# Altium PCB Gesturelink V1.PcbDoc (part 4 of 9) (continued)
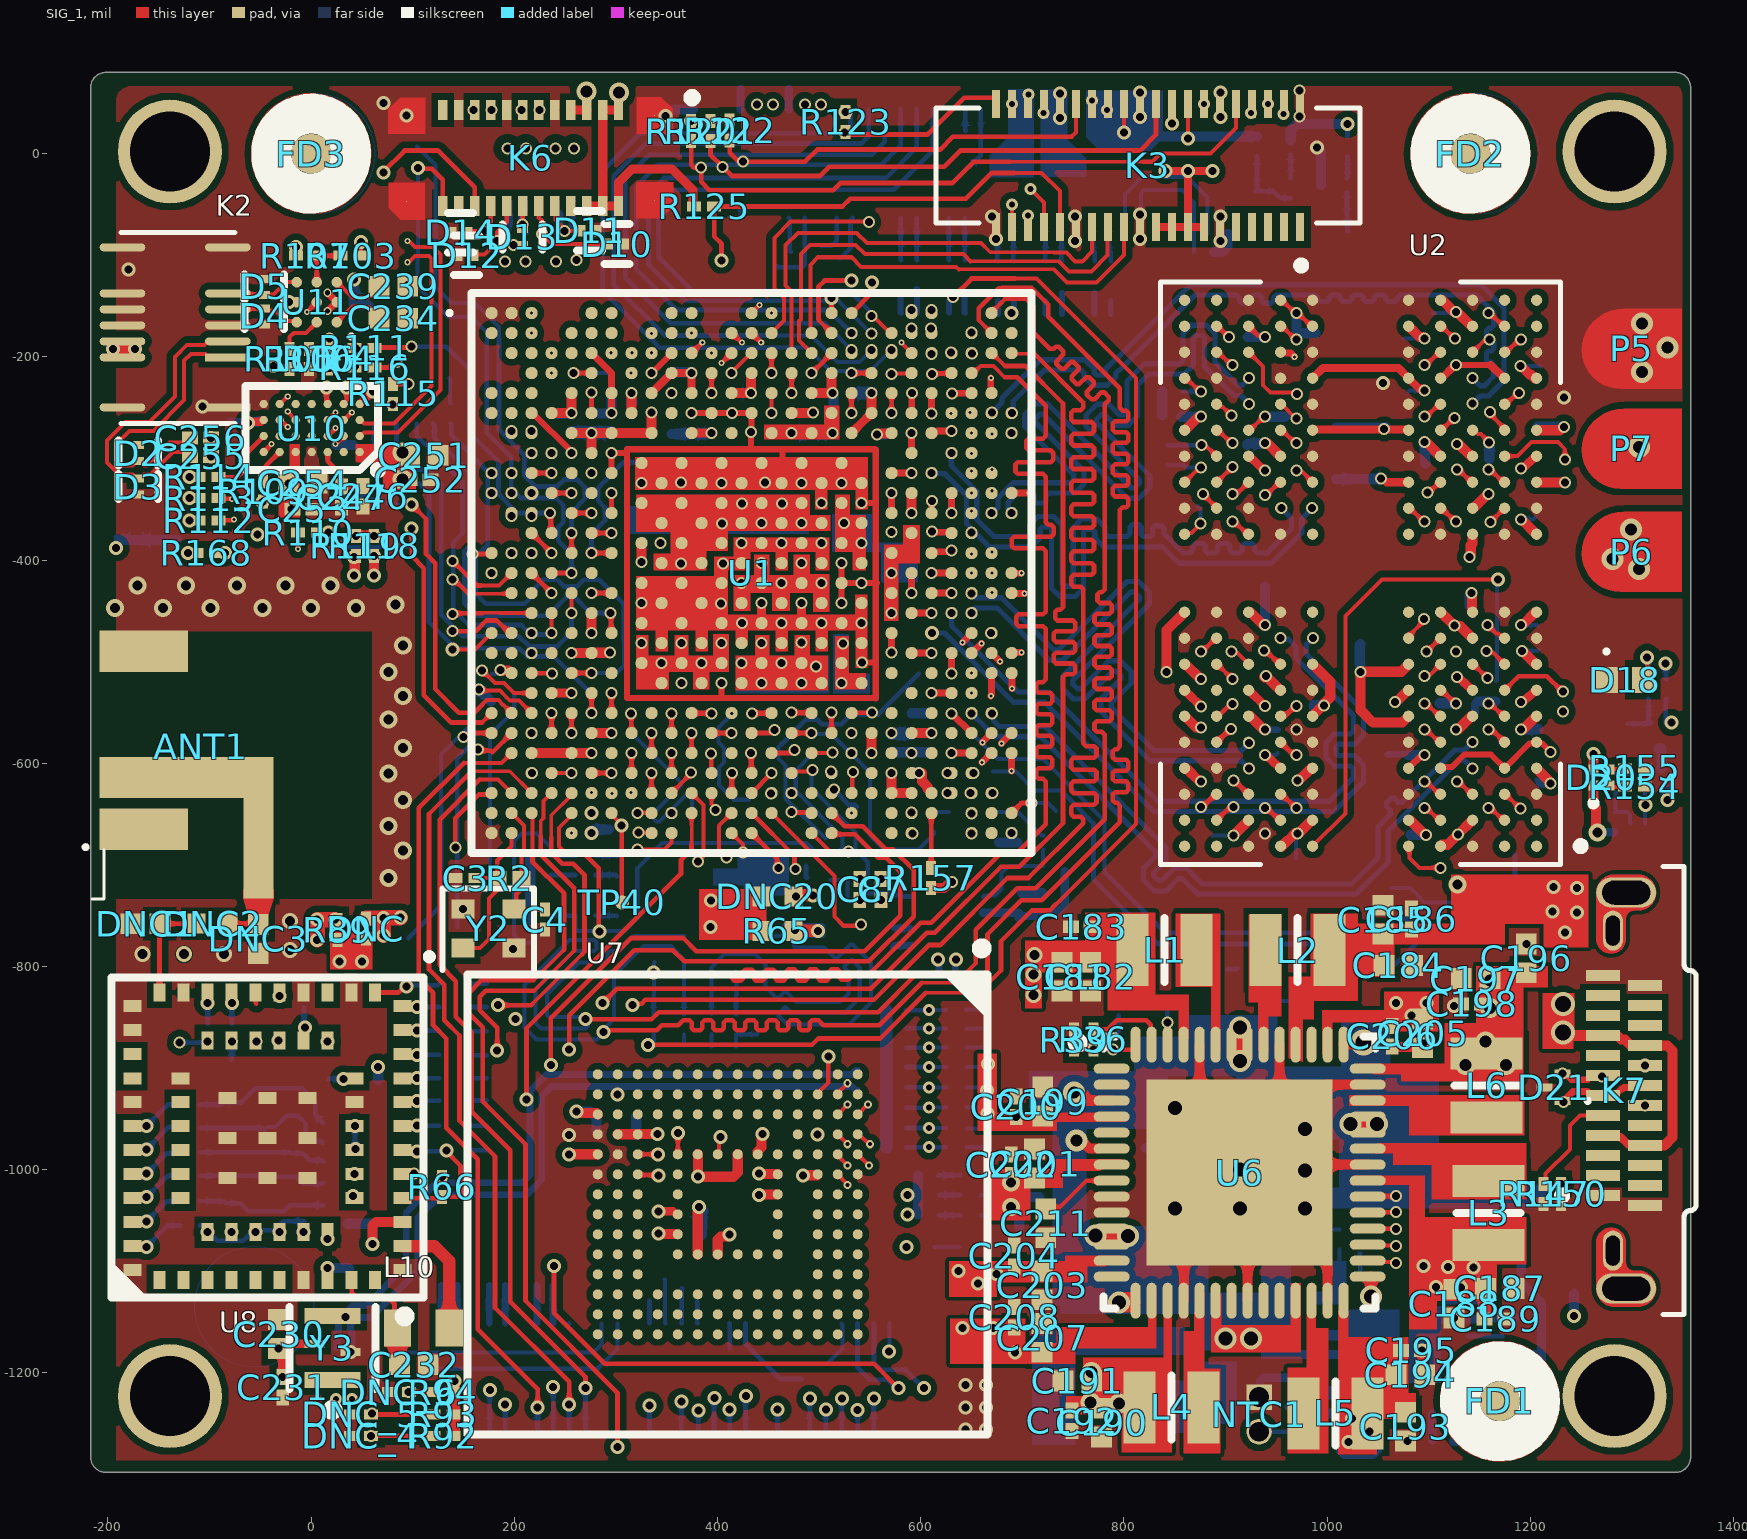
[diagram p0: SIG_1 view]
## Nets (pads, with @x,y where several pads share a name; then routed paths per layer and width w, separated by ;. In a path a pad name is that pad's centre, name@x,y a point inside that pad or via, vN(x,y) a via of type N, cw(c..) or ccw(c..) an arc to the next point about the centre after c; other vN are vias at no path point) (continued)
  other v3: 650,-294.99
DDR_DQ6_A: U1.W26 U2.C4 | length 897.3
  SIG_1 w3.94: v5(1096,-617.99) 1097.61,-617.99 1110.13,-630.51 U2.C4@1111.74,-630.51
  SIG_1 w6.69: v4(669,-533.99) 669,-533.43 669.69,-532.74 U1.W26@669.69,-511.26
  HI_SPEED_SIG_1 w3.71: v4(669,-533.99) 682.25,-533.99 710,-561.74 713,-564.74 713,-622.55 716.54,-626.09 723.08,-632.63 723.08,-643.58 716.5,-650.16 716.5,-662.49 803.41,-749.4 805.26,-751.26 808.57,-751.26 810.92,-748.91 810.92,-746.8 813.26,-744.46 820.28,-744.46 822.62,-746.8 822.62,-764.42 824.96,-766.77 831.99,-766.77 834.33,-764.42 834.33,-758 836.67,-755.66 843.7,-755.66 846.04,-758 846.04,-764.42 848.38,-766.77 855.4,-766.77 857.74,-764.42 857.74,-757.56 860.09,-755.22 867.11,-755.22 869.45,-757.56 869.45,-764.42 871.79,-766.77 878.82,-766.77 881.16,-764.42 881.16,-757.56 883.5,-755.22 890.52,-755.22 892.86,-757.56 892.86,-764.42 895.21,-766.77 902.23,-766.77 904.57,-764.42 904.57,-757.56 906.91,-755.22 913.94,-755.22 916.28,-757.56 916.28,-764.42 918.62,-766.77 925.64,-766.77 927.99,-764.42 927.99,-757.56 930.33,-755.22 937.35,-755.22 939.69,-757.56 939.69,-764.42 942.03,-766.77 949.06,-766.77 951.4,-764.42 951.4,-757.56 953.74,-755.22 960.77,-755.22 963.11,-757.56 963.11,-764.42 965.45,-766.77 972.47,-766.77 974.81,-764.42 974.81,-757.56 977.16,-755.22 984.18,-755.22 986.52,-757.56 986.52,-764.42 988.86,-766.77 995.89,-766.77 998.23,-764.42 998.23,-757.56 1000.57,-755.22 1007.59,-755.22 1009.93,-757.56 1009.93,-764.42 1012.28,-766.77 1019.3,-766.77 1021.64,-764.42 1021.64,-763.33 1023.98,-760.99 1027,-760.99 1029.85,-758.14 1076,-711.99 1075.87,-711.86 1075.87,-664.63 1076,-664.51 1076,-626.99 1085,-617.99 v5(1096,-617.99)
  other v3: 669,-533.99
DDR_DQ6_B: U1.G26 U2.Y4 | length 867.7
  SIG_1 w3.94: v5(1096,-207.99) 1097.61,-207.99 1110.13,-195.47 U2.Y4@1111.74,-195.47
  HI_SPEED_SIG_1 w3.71: v4(670,-275.99) 678.34,-267.65 678.34,-269.45 677.62,-270.17 677.62,-279.91 684.51,-286.8 694.25,-286.8 701.14,-279.91 701.14,-270.17 698.83,-267.86 698.83,-264.35 705.09,-258.08 710,-253.17 710,-176.99 784,-102.99 809.9,-102.99 811.76,-102.99 814.1,-100.65 814.1,-100.54 816.44,-98.2 823.46,-98.2 825.8,-100.54 825.8,-109.42 828.15,-111.77 835.17,-111.77 837.51,-109.42 837.51,-100.54 839.85,-98.2 846.88,-98.2 849.22,-100.54 849.22,-109.42 851.56,-111.77 858.58,-111.77 860.93,-109.42 860.93,-100.54 863.27,-98.2 870.29,-98.2 872.63,-100.54 872.63,-109.42 874.97,-111.77 882,-111.77 884.34,-109.42 884.34,-100.54 886.68,-98.2 893.7,-98.2 896.05,-100.54 896.05,-109.42 898.39,-111.77 905.41,-111.77 907.75,-109.42 907.75,-100.54 910.09,-98.2 917.12,-98.2 919.46,-100.54 919.46,-109.42 921.8,-111.77 928.83,-111.77 931.17,-109.42 931.17,-100.54 933.51,-98.2 940.53,-98.2 942.87,-100.54 942.87,-107.31 945.22,-109.65 952.24,-109.65 954.58,-107.31 954.58,-105.33 956.92,-102.99 1008,-102.99 1010.55,-105.54 1011.86,-106.85 1015.17,-106.85 1022.17,-99.85 1025.48,-99.85 1030.45,-104.82 1030.45,-108.13 1020.71,-117.87 1020.71,-121.18 1025.68,-126.14 1028.99,-126.14 1040.86,-114.28 1044.17,-114.28 1049.14,-119.24 1049.14,-122.56 1040.01,-131.69 1040.01,-135 1054.47,-149.46 ; 1054.5,-149.49 1062,-156.99 1094,-156.99 1110.22,-173.21 1110.22,-193.77 v5(1096,-207.99)
  other v3: 670,-275.99
DDR_DQ7_A: U1.Y25 U2.B4 | length 891
  SIG_1 w3.94: v5(1096.01,-643.99) 1097.82,-643.99 1109.93,-656.1 U2.B4@1111.74,-656.1
  HI_SPEED_SIG_1 w3.71: 656,-566.99 679,-566.99 699.23,-587.22 699.23,-660.22
  HI_SPEED_SIG_1 w3.75: 617.25,-558.72 625.52,-566.99 656,-566.99 ; 617.25,-542.74 629,-530.99 v3(650,-530.99) ; 699.23,-660.22 813,-773.99 1040.67,-773.99 1043.32,-773.99 1046.07,-771.24 1046.07,-767.35 1044.13,-765.41 1044.13,-761.53 1049.97,-755.69 1053.85,-755.69 1073.07,-774.91 1076.96,-774.91 1082.79,-769.07 1082.79,-765.19 1065.21,-747.61 1065.21,-743.72 1071.04,-737.89 1074.93,-737.89 1088.11,-751.07 1092,-751.07 1097.83,-745.23 1097.83,-741.34 1089.68,-733.2 1089.68,-729.31 1095.51,-723.49 1095.88,-723.11 ; 1096.01,-723.24 1096.01,-718.89 1084,-706.88 1084,-668 1084.13,-667.87 1084.13,-665.12 1096.01,-653.24 v5(1096.01,-643.99)
  HI_SPEED_SIG_1 w4.63: 617.25,-558.72 617.25,-542.74
  other v4: 650,-530.99
DDR_DQ7_B: U1.G25 U2.AA4 | length 922.2
  SIG_1 w3.94: U2.AA4@1111.74,-169.88 1112.81,-169.88 1124.93,-181.99 v5(1126,-181.99)
  HI_SPEED_SIG_1 w3.71: v4(650,-274.99) 659,-265.99 659,-249.41 665.73,-242.68 686.31,-242.68 700,-228.99 700,-170.99 780,-90.99 1041,-90.99 1064,-90.99 1069,-95.99 1080.56,-95.99 1082.73,-98.16 1082.73,-143.46 1084.67,-145.4 1090.5,-145.4 1092.44,-143.46 1092.44,-88.14 1094.38,-86.2 1100.2,-86.2 1102.14,-88.14 1102.14,-139 1104.08,-140.94 1109.91,-140.94 1111.85,-139 1111.85,-98.16 1114.02,-95.99 1129,-95.99 1139.88,-106.87 1141,-107.99 1141,-176.99 1136,-181.99 v5(1126,-181.99)
  other v3: 650,-274.99
DDR_DQ8_A: U1.R27 U2.B11 | length 875.9
  SIG_1 w4.58: U2.B11@891.27,-656.1 902.98,-644.39 906.62,-644.39 v5(908,-643)
  SIG_1 w6.69: U1.R27@689.61,-432.76 689.85,-432.99 v3(702,-432.99)
  HI_SPEED_SIG_1 w3.71: v3(702,-432.99) 769,-432.99 775,-438.99 776.31,-440.3 779.38,-440.3 794.74,-424.95 797.48,-424.95 801.6,-429.07 801.6,-431.81 782.65,-450.76 782.65,-453.51 786.77,-457.63 789.51,-457.63 816.27,-430.87 819.01,-430.87 823.13,-434.99 823.13,-437.74 793.1,-467.77 793.1,-470.51 797.22,-474.63 799.97,-474.63 829.99,-444.6 832.74,-444.6 836.86,-448.72 836.86,-451.47 811.13,-477.19 811.13,-479.93 815.25,-484.05 818,-484.05 842.83,-459.22 845.58,-459.22 849.69,-463.34 849.69,-466.09 827.43,-488.35 827.43,-491.42 829.96,-493.95 832,-495.99 837.1,-495.99 857.5,-475.6 870.29,-475.6 873,-472.88 873,-459.99 876,-456.99 882.29,-456.99 885,-459.7 885,-469.28 887.71,-471.99 900.24,-471.99 902.95,-469.28 902.95,-459.69 905.95,-456.69 912.24,-456.69 914.95,-459.4 914.95,-471.69 922,-478.74 922,-497.99 916,-503.99 863.93,-503.99 860.57,-507.35 857,-510.92 857,-568.93 864.9,-576.83 894.13,-606.06 894.13,-613.84 894.13,-621.82 902.52,-630.21 904.51,-630.21 908,-633.7 v5(908,-643)
  other v4: 702,-432.99
DDR_DQ8_B: U1.J26 U2.AA11 | length 904.6
  SIG_1 w3.94: U2.AA11@891.27,-169.88 892.09,-169.88 902.83,-180.62 v5(903.65,-180.62)
  HI_SPEED_SIG_1 w3.71: v3(670,-310.99) 684.42,-310.99 687,-308.42 703.2,-308.42 705.83,-305.79 729.21,-305.79 732.97,-302.03 734.28,-300.72 734.28,-297.65 729.29,-292.66 729.29,-289.92 733.41,-285.8 736.16,-285.8 747.71,-297.35 750.45,-297.35 754.57,-293.23 754.57,-290.49 751.07,-286.99 751.07,-283.92 753.38,-281.61 755,-279.99 755,-262.84 755,-260.99 752.83,-258.82 742.17,-258.82 740.23,-256.88 740.23,-251.05 742.17,-249.11 775.99,-249.11 777.94,-247.17 777.94,-241.35 775.99,-239.41 742.17,-239.41 740.23,-237.46 740.23,-231.64 742.17,-229.7 772.11,-229.7 774.05,-227.76 774.05,-221.93 772.11,-219.99 757.17,-219.99 755,-217.82 755,-206.77 755,-205.99 756.81,-204.18 758.62,-202.37 759.93,-201.06 759.93,-197.99 747.95,-186.01 747.95,-183.26 752.07,-179.14 754.81,-179.14 777.51,-201.84 780.25,-201.84 784.37,-197.72 784.37,-194.97 761.68,-172.28 761.68,-169.53 765.8,-165.42 768.54,-165.42 791.48,-188.36 794.23,-188.36 798.35,-184.24 798.35,-181.49 775.41,-158.55 775.41,-155.81 779.52,-151.69 782.27,-151.69 807.15,-176.57 809.9,-176.57 814.01,-172.45 814.01,-169.71 789.13,-144.82 789.13,-142.08 793.25,-137.96 796,-137.96 807.98,-149.94 811.05,-149.94 812.6,-148.39 814,-146.99 825.56,-146.99 827.73,-149.16 827.73,-163.53 829.67,-165.48 835.5,-165.48 837.44,-163.53 837.44,-137.16 839.38,-135.22 845.2,-135.22 847.14,-137.16 847.14,-158.84 849.08,-160.79 854.91,-160.79 856.85,-158.84 856.85,-139.33 858.79,-137.39 864.61,-137.39 866.56,-139.33 866.56,-145.55 872.92,-151.91 876,-154.99 876,-183.74 878.71,-186.45 882.54,-186.45 888.37,-180.62 v5(903.65,-180.62)
  other v4: 670,-310.99
DDR_DQ9_A: U1.R26 U2.C11 | length 902.7
  SIG_1 w4.58: v5(876,-642.99) 877.39,-642.99 U2.C11@889.87,-630.51
  HI_SPEED_SIG_1 w3.71: v4(670,-431.99) 665,-431.99 661,-435.99 661,-443.28 663.71,-445.99 676,-445.99 679,-442.99 679,-424.99 681.5,-422.49 ; 681.59,-422.59 689.09,-422.59 691.69,-425.18 691.69,-442.68 695,-445.99 733.66,-445.99 751,-445.99 751.27,-446.27 754.35,-446.27 758.88,-441.73 761.91,-441.73 766.45,-446.28 766.45,-449.3 756.99,-458.76 756.99,-461.79 761.53,-466.33 764.56,-466.33 773.41,-457.49 776.44,-457.49 780.98,-462.03 780.98,-465.06 772.13,-473.9 772.13,-476.93 776.68,-481.48 779.7,-481.48 781.56,-479.62 784.63,-479.62 785.94,-480.93 791.5,-486.49 807.5,-486.49 824,-502.99 824,-505.25 824,-516.48 821.83,-518.65 809.15,-518.65 807.21,-520.59 807.21,-526.42 809.15,-528.36 846.02,-528.36 847.96,-530.3 847.96,-536.13 846.02,-538.07 795.09,-538.07 793.15,-540.01 793.15,-545.83 795.09,-547.77 846.02,-547.77 847.96,-549.72 847.96,-555.54 846.02,-557.48 795.09,-557.48 793.15,-559.42 793.15,-565.25 795.09,-567.19 821.83,-567.19 824,-569.36 824,-571.21 824,-576.31 835.68,-587.99 846.16,-587.99 852.16,-581.99 857,-581.99 860.58,-585.58 860.58,-589.41 852,-597.99 841,-597.99 832,-606.99 832,-611.99 836,-615.99 840,-615.99 849,-606.99 858.29,-606.99 861,-609.7 861,-613.99 851,-623.99 851,-632.99 857,-638.99 862,-638.99 870,-630.99 882.5,-630.99 890,-638.49 890,-645.99 898,-653.99 898,-659.99 890.42,-667.58 886.58,-667.58 876,-656.99 v5(876,-642.99)
  other v3: 670,-431.99
DDR_DQ9_B: U1.K25 U2.Y11 | length 911.4
  SIG_1 w3.94: U2.Y11@891.27,-195.47 892.88,-195.47 905.4,-207.99 v5(907.02,-207.99)
  HI_SPEED_SIG_1 w3.71: v3(650,-333.99) 649.94,-333.99 642.94,-340.99 633,-340.99 628,-335.99 628,-328.99 634.5,-322.49 687.39,-322.49 694.26,-315.62 718.31,-315.62 720.94,-312.99 745,-312.99 749,-308.99 766.51,-291.48 766.51,-270.48 784.03,-252.97 792.2,-244.79 795.27,-244.79 811.17,-260.69 813.91,-260.69 818.03,-256.57 818.03,-253.82 779.61,-215.4 779.61,-212.66 783.73,-208.54 786.47,-208.54 821.11,-243.17 823.85,-243.17 827.97,-239.05 827.97,-236.31 793.58,-201.92 793.58,-199.18 797.7,-195.06 800.45,-195.06 840.35,-234.97 843.1,-234.97 847.21,-230.85 847.21,-228.1 809.25,-190.14 809.25,-187.39 813.37,-183.28 816.11,-183.28 833.38,-200.54 836.45,-200.54 840.43,-196.57 841,-195.99 841,-173.99 847,-167.99 859.54,-167.99 862.26,-170.7 862.26,-199 859.27,-201.99 850.31,-201.99 848,-204.3 848,-212.69 850.31,-214.99 861,-214.99 864,-217.99 864,-222.69 861.69,-224.99 860,-224.99 856,-228.99 856,-243.99 859,-246.99 887,-246.99 892,-241.99 892,-199.7 894.71,-196.99 904.3,-196.99 905.64,-198.33 905.64,-206.62 v5(907.02,-207.99)
  other v4: 650,-333.99
DDR_DQ10_A: U1.P27 U2.E11 | length 874.4
  SIG_1 w4.58: U2.E11@891.27,-579.33 891.86,-579.33 904.85,-566.34 v5(905.45,-566.34)
  SIG_1 w4.63: U2.E11@891.27,-579.33 904.26,-566.34 v5@904.85,-566.34
  SIG_1 w6.69: U1.P27@689.38,-412.83 689.54,-412.99 v3(699,-412.99)
  HI_SPEED_SIG_1 w3.71: v3(699,-412.99) 699.26,-413.25 729.14,-413.25 730.99,-413.25 733.16,-411.08 733.16,-405.16 735.1,-403.22 740.93,-403.22 742.87,-405.16 742.87,-423.84 744.81,-425.79 750.63,-425.79 752.57,-423.84 752.57,-405.16 754.52,-403.22 760.34,-403.22 762.28,-405.16 762.28,-411.08 764.45,-413.25 774.37,-413.25 816.71,-413.25 851.63,-448.17 883.82,-448.17 884,-447.99 967,-447.99 968.85,-447.99 971.03,-445.82 971.03,-445.16 972.97,-443.22 978.79,-443.22 980.73,-445.16 980.73,-454.34 982.67,-456.29 988.5,-456.29 990.44,-454.34 990.44,-450.16 992.61,-447.99 1014.86,-447.99 1015.17,-447.99 1021,-453.82 1021,-461.99 1021,-465.1 1018.83,-467.28 1000.7,-467.28 998.76,-469.22 998.76,-475.04 1000.7,-476.98 1019.06,-476.98 1021,-478.92 1021,-484.75 1019.06,-486.69 996.29,-486.69 994.35,-488.63 994.35,-494.45 996.29,-496.39 1018.83,-496.39 1021,-498.56 1021,-500.42 1021,-504.66 1018,-507.66 1018,-511.99 1015,-514.99 1009,-514.99 999.81,-514.99 997.64,-512.82 997.64,-505.75 995.69,-503.81 989.87,-503.81 987.93,-505.75 987.93,-519.32 985.99,-521.26 980.16,-521.26 978.22,-519.32 978.22,-491.18 976.28,-489.24 970.46,-489.24 968.51,-491.18 968.51,-512.82 966.34,-514.99 964.49,-514.99 964,-514.99 950.78,-501.77 932.52,-501.77 924.78,-509.52 924.78,-517.21 919.5,-522.49 912.74,-529.25 900.06,-529.25 892.67,-536.64 891,-538.31 891,-550.98 905.45,-565.42 v5(905.45,-566.34)
  other v4: 699,-412.99
DDR_DQ10_B: U1.K26 U2.V11 | length 906.4
  SIG_1 w3.94: U2.V11@891.27,-246.65 893.19,-246.65 896.17,-249.64 897.65,-249.64 v5(906,-257.99)
  HI_SPEED_SIG_1 w3.71: v3(670,-331.83) 670.26,-332.09 693.9,-332.09 703.16,-322.83 728.02,-322.83 729.86,-320.99 759.1,-320.99 761.66,-318.43 762.98,-317.12 762.98,-314.04 759.93,-311 759.93,-308.25 764.05,-304.14 766.79,-304.14 774.18,-311.52 776.92,-311.52 781.04,-307.4 781.04,-304.65 773.61,-297.23 773.61,-294.48 777.73,-290.36 780.48,-290.36 789.17,-299.06 791.92,-299.06 796.04,-294.94 796.04,-292.2 787.99,-284.15 787.99,-281.4 792.11,-277.28 794.85,-277.28 797.3,-279.73 800.37,-279.73 805.3,-274.8 807.97,-272.12 815.63,-272.12 ; 955.2,-254.79 961.29,-248.7 994.71,-248.7 997,-250.99 ; 956.71,-217.7 963.15,-224.14 987.15,-224.14 ; 1011,-233.99 1019,-241.99 1019,-263.89 1016.83,-266.06 1012.07,-266.06
  HI_SPEED_SIG_1 w3.75: 815.63,-272.12 822.56,-272.12 824.43,-272.12 826.63,-269.92 826.63,-250.61 828.58,-248.66 834.43,-248.66 836.38,-250.61 836.38,-270.69 838.33,-272.64 844.17,-272.64 846.12,-270.69 846.12,-255.48 848.07,-253.53 853.92,-253.53 855.87,-255.48 855.87,-269.92 858.06,-272.12 861,-272.12 881.57,-272.12 ; 870.55,-272.21 881.48,-272.21 881.57,-272.12 ; 891.87,-272.12 881.57,-272.12 ; 892,-271.99 951,-271.99 955.2,-267.79 955.2,-254.79 ; v5(906,-257.99) 906,-243.99 916,-233.99 933,-233.99 939,-227.99 939,-212.99 916.87,-190.86 916.87,-178.83 916.73,-178.69 916.73,-152.9 918.92,-150.7 954.52,-150.7 956.71,-152.9 956.71,-217.7 ; 987.15,-224.14 997,-233.99 1011,-233.99 ; 997,-250.99 1012.07,-266.06
  other v4: 670,-331.83
DDR_DQ11_A: U1.P26 U2.F11 | length 878.2
  SIG_1 w4.58: U2.F11@891.27,-553.74 892.77,-553.74 893.01,-553.74 905.24,-541.51 v5(907.02,-541.51)
  SIG_1 w4.63: U2.F11@892.77,-553.74 893,-553.74 905.23,-541.51 v5(907.02,-541.51)
  HI_SPEED_SIG_1 w3.71: 1064,-526.99 1078,-512.99 1078,-498.54 1078,-496.69 1075.66,-494.35 1041.72,-494.35 1039.38,-492.01 1039.38,-484.98 1041.72,-482.64 1084.96,-482.64 1087.3,-480.3 1087.3,-473.28 1084.96,-470.93 1047.13,-470.93 1044.79,-468.59 1044.79,-461.57 1047.13,-459.23 1075.66,-459.23 1078,-456.89 1078,-452.99 1078,-443.99 1075.71,-441.7
  HI_SPEED_SIG_1 w3.75: v4(670,-412.99) 682,-412.99 699,-395.99 815.49,-395.99 855.49,-435.99 1070,-435.99 1075.71,-441.7 ; v5(907.02,-541.51) 908.56,-539.97 918.53,-539.97 930,-528.49 1062.5,-528.49 1064,-526.99
  other v3: 670,-412.99
DDR_DQ11_B: U1.K27 U2.U11 | length 876.2
  SIG_1 w3.94: U2.U11@891.27,-272.24 892.77,-272.24 905.52,-284.99 v5(907.02,-284.99)
  SIG_1 w6.69: U1.K27@689.38,-334.09 706.9,-334.09 v4(707,-333.99)
  HI_SPEED_SIG_1 w3.71: v4(707,-333.99) 728.27,-333.99 730.44,-331.82 730.44,-330.6 732.38,-328.66 738.21,-328.66 740.15,-330.6 740.15,-332.51 742.09,-334.45 747.91,-334.45 749.85,-332.51 749.85,-330.6 751.79,-328.66 757.62,-328.66 759.56,-330.6 759.56,-332.51 761.5,-334.45 767.33,-334.45 769.27,-332.51 769.27,-322.99 771.21,-321.04 777.03,-321.04 778.97,-322.99 778.97,-332.51 780.92,-334.45 786.74,-334.45 788.68,-332.51 788.68,-309.58 790.62,-307.64 796.45,-307.64 798.39,-309.58 798.39,-332.51 800.33,-334.45 806.15,-334.45 808.1,-332.51 808.1,-284.78 810.04,-282.84 815.86,-282.84 817.8,-284.78 817.8,-332.51 819.74,-334.45 825.57,-334.45 827.51,-332.51 827.51,-281.73 829.45,-279.79 835.28,-279.79 837.22,-281.73 837.22,-332.51 839.16,-334.45 844.98,-334.45 846.92,-332.51 846.92,-297.17 848.86,-295.23 854.69,-295.23 856.63,-297.17 856.63,-329.95 858.8,-332.12 861.87,-332.12 867.62,-326.37 872,-321.99 882,-321.99 892,-331.99 892,-338.69 894,-340.69 894,-340.99 896.39,-343.38 900.26,-347.25 924.33,-347.25 928,-350.92 928,-356.99 931,-359.99 948.63,-359.99 949.89,-361.25 960.05,-361.25 967.23,-354.07 967.23,-353.94 968.19,-352.98 968.19,-332.95 965.23,-329.99 960,-329.99 956,-325.99 956,-305.99 948.22,-298.21 929.78,-298.21 922,-305.99 922,-317.99 918.22,-321.77 900.84,-321.77 890,-310.93 890,-290.99 896,-284.99 v5(907.02,-284.99)
  other v3: 707,-333.99
DDR_DQ12_A: U1.V26 U2.F9 | length 903.2
  SIG_1 w3.94: U2.F9@954.26,-553.74 955.62,-552.38 959.61,-552.38
  SIG_1 w4.58: 959.61,-552.38 968.26,-543.73 v5(970,-543.73)
  SIG_1 w6.69: U1.V26@669.69,-491.57 669.69,-491.68 v4(678,-499.99)
  HI_SPEED_SIG_1 w3.71: v4(678,-499.99) 682,-503.99 ; 750.5,-620.49 759.41,-629.4 760.72,-630.71 764.03,-630.71 767.1,-627.64 770.41,-627.64 775.38,-632.61 775.38,-635.92 769.13,-642.16 769.13,-645.47 774.1,-650.44 777.41,-650.44 783.65,-644.2 786.97,-644.2 791.93,-649.17 791.93,-652.48 785.69,-658.72 785.69,-662.03 790.66,-667 793.97,-667 800.21,-660.76 803.52,-660.76 808.49,-665.72 808.49,-669.03 802.25,-675.28 802.25,-678.59 807.21,-683.55 810.52,-683.55 814.83,-679.25 818.14,-679.25 823.11,-684.21 823.11,-687.52 820.32,-690.31 820.32,-693.62 825.29,-698.59 828.6,-698.59 830.26,-696.93 833.57,-696.93 838.53,-701.9 838.53,-705.21 838.53,-708.52 853.11,-723.1 ; v5@970,-541.99 990.69,-562.68 1000.69,-562.68 1001.92,-563.91 1003.23,-565.22 1006.3,-565.22 1027.02,-544.5 1029.77,-544.5 1033.89,-548.62 1033.89,-551.36 1011.28,-573.97 1011.28,-576.71 1015.4,-580.83 1018.15,-580.83 1033.46,-565.51 1036.21,-565.51 1040.33,-569.63 1040.33,-572.37 1026.89,-585.81 1026.89,-588.88 1030,-591.99 1030,-596.46 1030,-698.99 1003,-725.99 998,-725.99
  HI_SPEED_SIG_1 w3.75: 682,-503.99 699,-503.99 743,-547.99 743,-612.99 750.5,-620.49 ; 853.11,-723.1 856,-725.99 998,-725.99
  other v3: 678,-499.99
DDR_DQ12_B: U1.L25 U2.U9 | length 940.6
  SIG_1 w3.94: U2.U9@954.26,-272.24 955.76,-272.24 968.51,-284.99 v5(970.01,-284.99)
  HI_SPEED_SIG_1 w3.71: v4(650,-351.68) 659.54,-342.14 697.15,-342.14 704,-348.99 712,-348.99 713.85,-348.99 716.03,-346.82 716.03,-343.14 717.97,-341.2 723.79,-341.2 725.73,-343.14 725.73,-350.97 727.67,-352.91 733.5,-352.91 735.44,-350.97 735.44,-343.6 737.38,-341.66 743.21,-341.66 745.15,-343.6 745.15,-350.97 747.09,-352.91 752.91,-352.91 754.85,-350.97 754.85,-343.6 756.79,-341.66 762.62,-341.66 764.56,-343.6 764.56,-350.97 766.5,-352.91 772.33,-352.91 774.27,-350.97 774.27,-343.6 776.21,-341.66 782.03,-341.66 783.97,-343.6 783.97,-350.97 785.92,-352.91 791.74,-352.91 793.68,-350.97 793.68,-343.6 795.62,-341.66 801.45,-341.66 803.39,-343.6 803.39,-350.97 805.33,-352.91 811.15,-352.91 813.1,-350.97 813.1,-343.6 815.04,-341.66 820.86,-341.66 822.8,-343.6 822.8,-350.97 824.74,-352.91 830.57,-352.91 832.51,-350.97 832.51,-344.26 834.45,-342.32 840.28,-342.32 842.22,-344.26 842.22,-360.07 844.16,-362.02 849.98,-362.02 851.92,-360.07 853.86,-358.13 859.69,-358.13 861.63,-360.07 861.63,-372.6 870.66,-381.63 871.02,-381.99 882,-381.99 883.85,-381.99 886.03,-379.82 886.03,-377.86 887.97,-375.92 893.79,-375.92 895.73,-377.86 895.73,-389.31 897.67,-391.25 903.5,-391.25 905.44,-389.31 905.44,-379.69 907.38,-377.75 913.21,-377.75 915.15,-379.69 915.15,-387.66 917.09,-389.6 922.91,-389.6 924.85,-387.66 924.85,-369.14 926.79,-367.2 932.62,-367.2 934.56,-369.14 934.56,-384.44 936.5,-386.39 942.33,-386.39 944.27,-384.44 944.27,-371.36 946.21,-369.42 952.03,-369.42 953.97,-371.36 953.97,-379.82 956.15,-381.99 964.62,-381.99 984.27,-381.99 988,-378.26 988,-373.7 990.71,-370.99 995.29,-370.99 998,-373.7 998,-376.99 1003.01,-381.99 1008.29,-381.99 1011,-379.28 1011,-372.99 998,-359.99 998,-357.56 998,-346 1000.17,-343.83 1012.85,-343.83 1014.79,-341.89 1014.79,-336.07 1012.85,-334.12 981.8,-334.12 979.86,-332.18 979.86,-326.36 981.8,-324.42 1012.85,-324.42 1014.79,-322.48 1014.79,-316.65 1012.85,-314.71 987.7,-314.71 985.76,-312.77 985.76,-306.94 987.7,-305 1012.85,-305 1014.79,-303.06 1014.79,-297.24 1012.85,-295.3 1000.17,-295.3 998,-293.12 998,-286.92 998,-283.99 989,-274.99 972.72,-274.99 971.38,-276.33 971.38,-283.62 v5(970.01,-284.99)
  other v3: 650,-351.68
DDR_DQ13_A: U1.V27 U2.E9 | length 904.3
  SIG_1 w4.58: U2.E9@954.26,-579.33 965.54,-590.61 968.62,-590.61 v5(970,-591.99)
  SIG_1 w6.69: U1.V27@689.38,-491.57 689.96,-490.99 v4(699,-490.99)
  HI_SPEED_SIG_1 w3.71: v4(699,-490.99) 707,-490.99 ; 996,-714.99 1008,-702.99
  HI_SPEED_SIG_1 w3.75: v5(970,-591.99) 979.01,-582.98 985.99,-582.98 989.35,-586.34 990.67,-587.66 993.77,-587.66 999.86,-581.58 1002.61,-581.58 1006.75,-585.72 1006.75,-588.47 1000.67,-594.55 1000.67,-597.66 1007.19,-604.18 1008,-604.99 1008,-618.99 1008,-620.87 1010.19,-623.06 1017.54,-623.06 1019.49,-625.01 1019.49,-630.86 1017.54,-632.81 1003.52,-632.81 1001.58,-634.76 1001.58,-640.61 1003.52,-642.55 1017.54,-642.55 1019.49,-644.5 1019.49,-650.35 1017.54,-652.3 1003.52,-652.3 1001.58,-654.25 1001.58,-660.1 1003.52,-662.05 1017.54,-662.05 1019.49,-664 1019.49,-669.85 1017.54,-671.8 1003.52,-671.8 1001.58,-673.75 1001.58,-679.59 1003.52,-681.54 1016.39,-681.54 1018.34,-683.49 1018.34,-689.34 1016.39,-691.29 1010.19,-691.29 1008,-693.48 1008,-700.64 1008,-702.99
  HI_SPEED_SIG_1 w3.78: 707,-490.99 708.46,-492.45 709.8,-493.79 712.93,-493.79 719.54,-487.18 722.3,-487.18 726.45,-491.33 726.45,-494.09 715.79,-504.75 715.79,-507.52 719.94,-511.66 722.71,-511.66 732.57,-501.8 735.34,-501.8 739.48,-505.95 739.48,-508.71 729.62,-518.58 729.62,-521.34 733.77,-525.49 736.53,-525.49 747.2,-514.82 749.97,-514.82 754.12,-518.97 754.12,-521.74 743.45,-532.4 743.45,-535.17 747.6,-539.32 750.36,-539.32 751.28,-538.4 754.41,-538.4 755.66,-539.66 757,-540.99 757,-543.01 757,-548.79 754.79,-551.01 753.22,-551.01 751.26,-552.96 751.26,-558.83 753.22,-560.78 763.78,-560.78 765.74,-562.74 765.74,-568.6 763.78,-570.56 753.22,-570.56 751.26,-572.51 751.26,-578.38 753.22,-580.34 763.78,-580.34 765.74,-582.29 765.74,-588.16 763.78,-590.11 753.22,-590.11 751.26,-592.07 751.26,-597.94 753.22,-599.89 754.79,-599.89 757,-602.1 757,-603.99 868,-714.99 996,-714.99
  other v3: 699,-490.99
DDR_DQ13_B: U1.N25 U2.V9 | length 870.1
  SIG_1 w3.94: U2.V9@954.26,-246.65 954.98,-246.65 969.29,-260.96 v5(970.01,-260.96)
  HI_SPEED_SIG_1 w3.71: v3(650,-393.99) 639.69,-404.31 639.69,-416.59 636.98,-419.3 629.31,-419.3 626,-415.99 626,-406.99 615,-395.99 615,-387.99 641,-361.99 659,-361.99 666,-368.99 691,-368.99 699.88,-360.12 830.12,-360.12 832.07,-362.07 832.77,-362.76 870.25,-400.24 871,-400.99 881,-400.99 892.56,-400.99 894.73,-403.16 894.73,-403.82 896.67,-405.77 902.5,-405.77 904.44,-403.82 904.44,-400.33 906.38,-398.39 912.21,-398.39 914.15,-400.33 914.15,-403.82 916.09,-405.77 921.91,-405.77 923.85,-403.82 923.85,-398.69 925.79,-396.75 931.62,-396.75 933.56,-398.69 933.56,-403.82 935.5,-405.77 941.33,-405.77 943.27,-403.82 943.27,-395.47 945.21,-393.53 951.03,-393.53 952.97,-395.47 952.97,-403.82 954.92,-405.77 960.74,-405.77 962.68,-403.82 962.68,-391.16 964.62,-389.22 970.45,-389.22 972.39,-391.16 972.39,-403.82 974.33,-405.77 980.15,-405.77 982.1,-403.82 982.1,-391.16 984.04,-389.22 989.86,-389.22 991.8,-391.16 991.8,-403.82 993.74,-405.77 999.57,-405.77 1001.51,-403.82 1001.51,-391.16 1003.45,-389.22 1009.28,-389.22 1011.22,-391.16 1011.22,-398.82 1013.39,-400.99 1020.72,-400.99 1040,-400.99 1045,-395.99 1045,-389.99 1022,-366.99 1022,-290.99 991,-259.99 970.98,-259.99 v5(970.01,-260.96)
  other v4: 650,-393.99
DDR_DQ14_A: U1.V25 U2.C9 | length 911.4
  SIG_1 w4.58: U2.C9@954.26,-630.51 955.4,-630.51 968.88,-643.99 v5(970.02,-643.99)
  SIG_1 w6.69: U1.V25@650.01,-491.57 659.59,-481.99 v4(660,-481.99)
  HI_SPEED_SIG_1 w3.78: v4(660,-481.99) 681.52,-481.97 688.5,-474.99 723.18,-474.99 725.85,-474.99 730.64,-470.21 733.69,-470.21 738.26,-474.78 738.26,-477.83 732.27,-483.81 732.27,-486.86 736.85,-491.43 739.9,-491.43 751.51,-479.82 754.56,-479.82 759.13,-484.39 759.13,-487.44 747.31,-499.26 747.31,-502.31 751.88,-506.88 754.93,-506.88 766.75,-495.06 769.8,-495.06 774.37,-499.63 774.37,-502.68 767.09,-509.96 767.09,-513.09 771.66,-517.66 773,-518.99 773,-559.71 ; 773.02,-579.28 773.02,-591.17 773,-603.99 780.74,-611.73 795.32,-611.73 801.74,-611.73 805.92,-615.91 805.92,-619.04 795.65,-629.3 795.65,-632.35 800.22,-636.93 803.27,-636.93 814.88,-625.32 817.93,-625.32 822.5,-629.89 822.5,-632.94 810.89,-644.55 810.89,-647.59 815.47,-652.17 818.51,-652.17 830.12,-640.56 833.17,-640.56 837.74,-645.13 837.74,-648.18 826.13,-659.79 826.13,-662.84 830.71,-667.41 833.75,-667.41 845.36,-655.8 848.41,-655.8 852.98,-660.38 852.98,-663.42 841.38,-675.03 841.38,-678.08 845.95,-682.65 849,-682.65 860.6,-671.04 863.65,-671.04 868.22,-675.62 868.22,-678.66 859.14,-687.75 859.14,-690.8 863.71,-695.37 866.76,-695.37 874.5,-687.62 877.63,-687.62 892.66,-702.66 894,-703.99 953,-703.99 960,-696.99 960,-689.99 963,-686.99 969.29,-686.99 972,-689.7 972,-697.99 978,-703.99 993.8,-703.99 996.51,-701.28 996.51,-690.7 992,-686.2 992,-627.87 989.29,-625.15 985.46,-625.15 977.5,-633.11 971.71,-633.11 969,-635.82 969,-642.98 v5(970.02,-643.99) ; 773,-579.26 773,-571.63 773.02,-559.72
  other v3: 660,-481.99